# Altium PCB Inverter_2kW.PcbDoc (part 1 of 3) (continued)
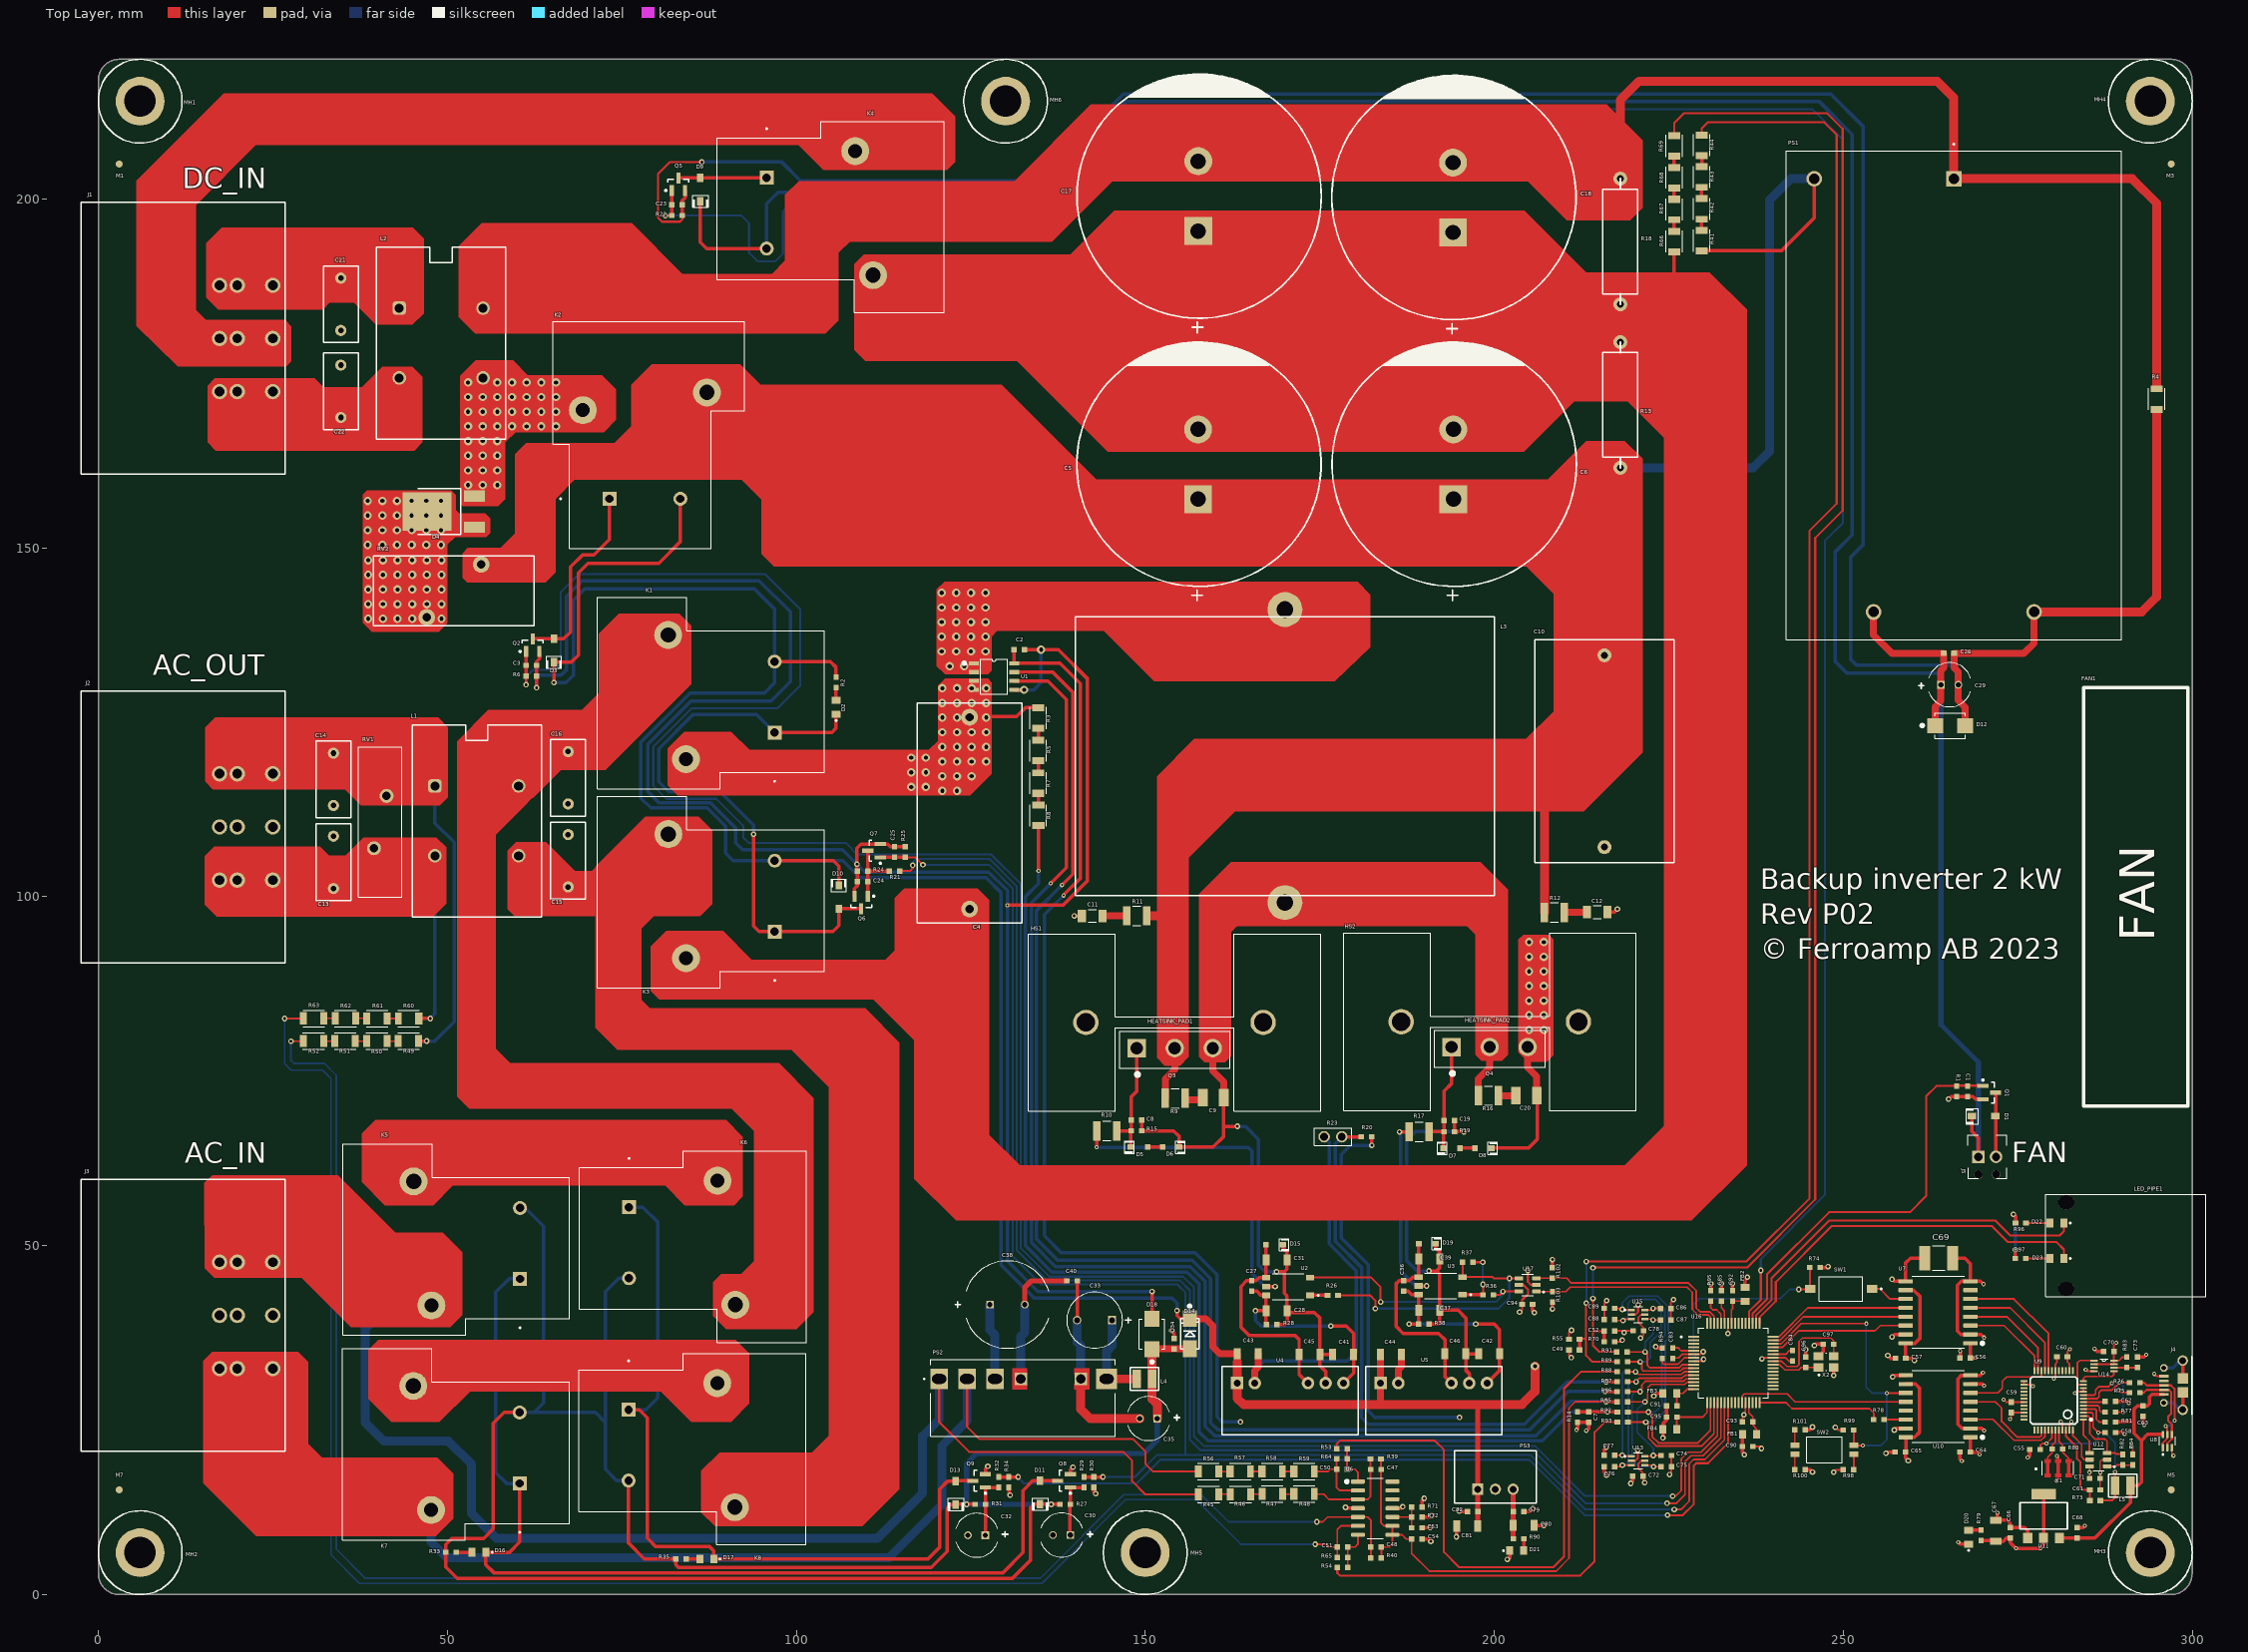
[diagram p0: Top Layer view]
## Components (designator, comment, footprint, x,y, rotation, side; value= is the part's Value field where it differs from the comment) (continued)
R49 "1.6M" R1206 44.45,79.3 r180 top
R50 "1.6M" R1206 39.92,79.3 r180 top
R51 "1.6M" R1206 35.375,79.3 r180 top
R52 "1.6M" R1206 30.85,79.3 r180 top
R53 "10k" R0603 178.175,20.9 r180 top
R54 "10k" R0603 178.275,3.875 r180 top
R55 "9.09k" R0603 211.475,36.6 r0 top
R56 "1.6M" R1206 159.05,17.62 r0 top
R57 "1.6M" R1206 163.6,17.62 r0 top
R58 "1.6M" R1206 168.175,17.645 r0 top
R59 "1.6M" R1206 172.75,17.645 r0 top
R60 "1.6M" R1206 44.475,82.55 r180 top
R61 "1.6M" R1206 39.945,82.55 r180 top
R62 "1.6M" R1206 35.425,82.575 r180 top
R63 "1.6M" R1206 30.875,82.575 r180 top
R64 "10k" R0603 178.175,19.475 r0 top
R65 "10k" R0603 178.275,5.3 r0 top
R66 "680k" R1206 225.8,193.905 r270 top
R67 "680k" R1206 225.8,198.5 r270 top
R68 "680k" R1206 225.8,203.05 r270 top
R69 "680k" R1206 225.775,207.6 r270 top
R70 "9.09k" R0603 216.525,36.225 r180 top
R71 "10k" R0603 188.925,12.525 r180 top
R72 "10k" R0603 188.925,11.1 r0 top
R73 "470R" R0603 286.1,13.475 r180 top
R74 "2.2k" R0603 245.975,46.875 r180 top
R75 "27R" R0603 291.775,28.925 r0 top
R76 "27R" R0603 291.775,30.35 r0 top
R77 "2.2k" R0603 288.3,26.15 r180 top
R78 "0R" R0603 255.125,25.075 r180 top
R79 "680R" R0603 269.75,8.475 r270 top
R80 "1M" R0603 280.7,20.85 r180 top
R81 "10k" R0603 288.3,24.725 r180 top
R82 "2.2k" R0603 290.075,19.325 r90 top
R83 "1k" R0603 290.643,33.273 r90 top
R84 "10k" R0603 291.5,19.325 r270 top
R85 "56R" R0603 218.375,27.625 r0 top
R86 "56R" R0603 218.375,29.075 r0 top
R87 "56R" R0603 218.375,30.5 r0 top
R88 "56R" R0603 218.35,31.925 r0 top
R89 "56R" R0603 218.35,33.35 r0 top
R90 "680R" R0603 203.475,7.975 r180 top
R91 "56R" R0603 218.325,34.775 r0 top
R92 "56R" R0603 218.4,26.15 r0 top
R93 "56R" R0603 218.4,24.7 r0 top
R94 "2.2k" R0603 224.075,34.575 r270 top
R95 "0R" R0603 231.025,42.8 r270 top
R96 "680R" R0603 275.45,53.25 r180 top
R97 "680R" R0603 275.425,48.15 r180 top
R98 "3.3k" R0603 250.775,17.875 r180 top
R99 "3.3k" R0603 250.775,23.575 r180 top
R100 "820R" R0603 243.825,17.875 r0 top
R101 "820R" R0603 243.825,23.625 r0 top
R102 "10k" R0603 208.325,46.075 r270 top
R103 "10k" R0603 208.35,42.675 r90 top
RV1 "B72210S2271K101" VAR_B72220S2321K101 40.4,110.7 r270 top
RV2 "MS22 12103" "MS22 12103" 50.95,143.825 r0 top
SW1 "DS04-254-2-01BK-SMT" SW_DS04-254-2-01BK-SMT 249.7,43.8 r180 top
SW2 "218-2LPST" 218-2LPST 247.3,20.75 r90 top
U1 "TMCS1100A1QDRQ1" SOIC-8 128.325,131.55 r0 top
U2 "TLP152(TPL,E" OPTO_TLP2366(V4-TPL,E 170.475,44.15 r180 top
U3 "TLP152(TPL,E" OPTO_TLP2366(V4-TPL,E 192.325,44.225 r180 top
U4 "MGJ2D121505SC" MGJ2D121505SC 170.78,27.76 r0 top
U5 "MGJ2D121505SC" MGJ2D121505SC 191.345,27.76 r0 top
U6 "TLV9004QDRQ1" SOIC127P600X175-14N 182.95,12.375 r0 top
U7 "ISO7240MDWR" SOIC127P1030X265-16N 263.6,40.45 r180 top
U8 "BAW567DW-7-F" SOT65P210X110-6N 296.45,21.995 r90 top
U9 "FT2232D-REEL" LQFP48 280.175,27.825 r180 top
U10 "ISO7242MDWR" SOIC127P1030X265-16N 263.61,26.985 r180 top
U11 "NCP1117LPST33T3G" SOT223R 276.439,8.101 r0 top
U12 "93LC46BT-I/OT" SOT95P280X145-6N 286.575,19.325 r180 top
U13 "NUP4202W1T2G" SOT65P210X110-6N 220.625,19.175 r0 top
U14 "SN74LVC2G74MDCUTEP" SOP50P310X90-8N 287.368,32.773 r0 top
U15 "NUP4202W1T2G" SOT65P210X110-6N 220.625,40.125 r0 top
U16 "TMS320F28035PAGQ" QFP50P1200X1200X120-64N 234.25,33.175 r0 top
U17 "SN74LVC2G07DBVR" SOT95P280X145-6N 204.8,44.375 r180 top
X1 "6MHz" OSC_CSTCR6M00G53-R0 280.8,18.1 r0 top
X2 "20MHz" XTAL_AMB8 247.55,33.35 r90 top

## Footprints (in the part's own frame and the unit in brackets; to place one, negate y for a bottom-side part, rotate by r counter-clockwise, add the part's x,y. Pads: shape width x height; smd on the part's side, far side on the other; paste and mask are expansions set on the pad)
218-2LPST [mm]
  rect 0.76x1.27 smd: 1(-0.635,-4.22) 2(-0.635,4.22) 4(0.635,4.22)
  rect 0.76x1.274 smd: 3(0.635,-4.22)
  silkscreen extent -1.86,-2.54 1.86,2.54, body extent -1.86,-4.22 1.85,4.22, height 2.65
530002B02500G [mil]
  round 143 hole 103: 1(-500,0) 2(500,0)
  silkscreen extent -825,-500 825,500, body extent -825,-500 825,500, height 2500
1720806 [mm] "Pluggable Terminal Blocks 3 Pos 7.62mm pitch Through Hole Header"
  round 2.2 hole 1.4: 1(-7.62,0) 1(-7.62,-7.62) 1(-7.62,-5.08) 2(0,0) 2(0,-5.08) 2(0,-7.62) 3(7.62,0) 3(7.62,-7.62) 3(7.62,-5.08)
  silkscreen extent -19.5,-27.43 19.46,1.76, body extent -19.48,-27.47 19.48,1.78, height 15.12
1725656 [mm]
  round 1.2 hole 1.2: 0(0,-2.54) 0(2.54,-2.54)
  rect 1.8x1.8 hole 1.2: 1(0,0)
  round 1.8 hole 1.2: 2(2.54,0)
  silkscreen extent -1.5,-3.1 4.05,3.1, body extent -1.5,-3.1 4.04,3.1, height 8.5
10118194-0001LF [mm] "CONN USB MICRO B RECPT SMT R/A"
  rect 0.4x1.35 smd: 1(1.325,-1.35) 2(0.675,-1.35) 3(0.025,-1.35) 4(-0.625,-1.35) 5(-1.275,-1.35)
  round 1.5 hole 1: 6(-3.525,1.35) 6(3.525,1.35)
  round 1.1 hole 0.7: 6(-2.475,-1.35) 6(2.525,-1.35)
  rect 1.5x1.5 smd: 6(-0.975,1.35) 6(1.025,1.35)
  silkscreen extent -4.1,2.67 4.13,2.67, body extent -4,-1.55 4.05,4.03, height 2.73
B32674 [mm]
  round 2.4 hole 1.2: 1(-13.75,0) 2(13.75,0)
  silkscreen extent -15.75,-7.5 15.75,7.5, body extent -15.75,-7.5 15.75,7.5, height 24.5
C0603 [mm] "CAPACITOR SMD 0603"
  rect 0.8x0.75 smd: 1(-0.75,0) 2(0.75,0)
  body extent -1,-0.39 1,0.39, height 0.79
C1206#1 [mm]
  rect 1.16x1.82 smd: 1(-1.475,0) 2(1.475,0)
  silkscreen extent -0.57,-0.9 0.57,0.9, body extent -1.6,-0.8 1.6,0.8, height 1.78
C1206#2 [mm] "CAPACITOR SMD 1206"
  rect 1x1.6 smd: 1(-1.5,0) 2(1.5,0)
  body extent -2,-0.8 2,0.8, height 1.53
C1210 [mm] "CAPACITOR SMD 1210"
  rect 1.4x2.5 smd: 1(-1.5,0) 2(1.5,0)
  body extent -2,-1.24 2,1.24, height 1.7
C1812 [mm]
  rect 1.57x3.51 smd: 1(-2.017,0) 2(2.017,0)
  silkscreen extent -0.91,-1.75 0.91,1.75, body extent -2.25,-1.6 2.25,1.6, height 1.1
CAP_450BXW22MEFR12.5X20 [mm]
  rect 1.1x1.1 hole 0.75: 1(-2.5,0)
  round 1.1 hole 0.75: 2(2.5,0)
  silkscreen extent -7.49,-6.25 5.94,6.25, body extent -6.25,-6.25 6.25,6.25, height 20
CAP_B43640B5477M000 [mm]
  rect 4x4 hole 2.2: 1(-5,0)
  round 4 hole 2.2: 2(5,0)
  silkscreen extent -19.56,-17.63 17.5,17.37, body extent -17.5,-17.62 17.5,17.37, height 40
CAP_C947U472MZVDBA7317 [mm]
  round 1.6 hole 0.8: 1(-3.75,0) 2(3.75,0)
  silkscreen extent -5.5,-2.5 5.5,2.5, body extent -5.5,-2.5 5.5,2.5, height 15.5
CAP_EEU-FK1E271B [mm]
  rect 1.2x1.2 hole 0.85: 1(-2.5,0)
  round 1.2 hole 0.85: 2(2.5,0)
  silkscreen extent -5.21,-4 4,4, body extent -4,-4 4,4, height 11.5
CAP_EEUFC1E101S [mm]
  rect 1.1x1.1 hole 0.75: 1(-1.25,0)
  round 1.1 hole 0.75: 2(1.25,0)
  silkscreen extent -4.44,-3.15 3,3.15, body extent -3.15,-3.15 3.15,3.15, height 11.2
CONV_LS05-13B12R3 [mm]
  rect 2.5x3 hole 1.4 slot 2 at 0 deg: 1(-12,0) 2(-8,0) 3(-4,0)
  rect 1.78x1.78 hole 1.4 mask+0: 4(-0.29,0) 5(8.29,0)
  rect 3x3 hole 1.4 slot 2 at 0 deg: 6(12,0)
  Top Layer region: 0.6,0.7 -0.3,0.7 -0.337,0.699 -0.373,0.696 -0.41,0.691 -0.446,0.685 -0.481,0.676 -0.516,0.666 -0.551,0.654 -0.585,0.639 -0.618,0.624 -0.65,0.606 -0.681,0.587 -0.711,0.566 -0.741,0.544 -0.768,0.52 -0.795,0.495 -0.82,0.468 -0.844,0.441 -0.866,0.411 -0.887,0.381 -0.906,0.35 -0.924,0.318 -0.939,0.285 -0.954,0.251 -0.966,0.216 -0.976,0.181 -0.985,0.146 -0.991,0.11 -0.996,0.073 -0.999,0.037 -1,0 -0.999,-0.037 -0.996,-0.073 -0.991,-0.11 -0.985,-0.146 -0.976,-0.181 -0.966,-0.216 -0.954,-0.251 -0.939,-0.285 -0.924,-0.318 -0.906,-0.35 -0.887,-0.381 -0.866,-0.411 -0.844,-0.441 -0.82,-0.468 -0.795,-0.495 -0.768,-0.52 -0.741,-0.544 -0.711,-0.566 -0.681,-0.587 -0.65,-0.606 -0.618,-0.624 -0.585,-0.639 -0.551,-0.654 -0.516,-0.666 -0.481,-0.676 -0.446,-0.685 -0.41,-0.691 -0.373,-0.696 -0.337,-0.699 -0.3,-0.7 0.6,-0.7 0.6,-1.5 -1.5,-1.5 -1.5,1.5 0.6,1.5
  Top Layer region: 9.5,-1.5 7.4,-1.5 7.4,-0.7 8.3,-0.7 8.337,-0.699 8.373,-0.696 8.41,-0.691 8.446,-0.685 8.481,-0.676 8.516,-0.666 8.551,-0.654 8.585,-0.639 8.618,-0.624 8.65,-0.606 8.681,-0.587 8.711,-0.566 8.741,-0.544 8.768,-0.52 8.795,-0.495 8.82,-0.468 8.844,-0.441 8.866,-0.411 8.887,-0.381 8.906,-0.35 8.924,-0.318 8.939,-0.285 8.954,-0.251 8.966,-0.216 8.976,-0.181 8.985,-0.146 8.991,-0.11 8.996,-0.073 8.999,-0.037 9,0 8.999,0.037 8.996,0.073 8.991,0.11 8.985,0.146 8.976,0.181 8.966,0.216 8.954,0.251 8.939,0.285 8.924,0.318 8.906,0.35 8.887,0.381 8.866,0.411 8.844,0.441 8.82,0.468 8.795,0.495 8.768,0.52 8.741,0.544 8.711,0.566 8.681,0.587 8.65,0.606 8.618,0.624 8.585,0.639 8.551,0.654 8.516,0.666 8.481,0.676 8.446,0.685 8.41,0.691 8.373,0.696 8.337,0.699 8.3,0.7 7.4,0.7 7.4,1.5 9.5,1.5
  Bottom Layer region: 0.6,0.7 -0.3,0.7 -0.337,0.699 -0.373,0.696 -0.41,0.691 -0.446,0.685 -0.481,0.676 -0.516,0.666 -0.551,0.654 -0.585,0.639 -0.618,0.624 -0.65,0.606 -0.681,0.587 -0.711,0.566 -0.741,0.544 -0.768,0.52 -0.795,0.495 -0.82,0.468 -0.844,0.441 -0.866,0.411 -0.887,0.381 -0.906,0.35 -0.924,0.318 -0.939,0.285 -0.954,0.251 -0.966,0.216 -0.976,0.181 -0.985,0.146 -0.991,0.11 -0.996,0.073 -0.999,0.037 -1,0 -0.999,-0.037 -0.996,-0.073 -0.991,-0.11 -0.985,-0.146 -0.976,-0.181 -0.966,-0.216 -0.954,-0.251 -0.939,-0.285 -0.924,-0.318 -0.906,-0.35 -0.887,-0.381 -0.866,-0.411 -0.844,-0.441 -0.82,-0.468 -0.795,-0.495 -0.768,-0.52 -0.741,-0.544 -0.711,-0.566 -0.681,-0.587 -0.65,-0.606 -0.618,-0.624 -0.585,-0.639 -0.551,-0.654 -0.516,-0.666 -0.481,-0.676 -0.446,-0.685 -0.41,-0.691 -0.373,-0.696 -0.337,-0.699 -0.3,-0.7 0.6,-0.7 0.6,-1.5 -1.5,-1.5 -1.5,1.5 0.6,1.5
  Bottom Layer region: 9.5,-1.5 7.4,-1.5 7.4,-0.7 8.3,-0.7 8.337,-0.699 8.373,-0.696 8.41,-0.691 8.446,-0.685 8.481,-0.676 8.516,-0.666 8.551,-0.654 8.585,-0.639 8.618,-0.624 8.65,-0.606 8.681,-0.587 8.711,-0.566 8.741,-0.544 8.768,-0.52 8.795,-0.495 8.82,-0.468 8.844,-0.441 8.866,-0.411 8.887,-0.381 8.906,-0.35 8.924,-0.318 8.939,-0.285 8.954,-0.251 8.966,-0.216 8.976,-0.181 8.985,-0.146 8.991,-0.11 8.996,-0.073 8.999,-0.037 9,0 8.999,0.037 8.996,0.073 8.991,0.11 8.985,0.146 8.976,0.181 8.966,0.216 8.954,0.251 8.939,0.285 8.924,0.318 8.906,0.35 8.887,0.381 8.866,0.411 8.844,0.441 8.82,0.468 8.795,0.495 8.768,0.52 8.741,0.544 8.711,0.566 8.681,0.587 8.65,0.606 8.618,0.624 8.585,0.639 8.551,0.654 8.516,0.666 8.481,0.676 8.446,0.685 8.41,0.691 8.373,0.696 8.337,0.699 8.3,0.7 7.4,0.7 7.4,1.5 9.5,1.5
  silkscreen extent -14.25,-8.2 13.2,2.8, body extent -13.2,-8.2 13.2,2.8, height 14.73
CONV_PV15-27B12R3 [mm]
  rect 2.25x2.25 hole 1.5: 1(-31.045,0)
  round 2.25 hole 1.5: 2(-31.045,-20) 3(31.045,-11.5) 4(31.045,11.5)
  silkscreen extent -36.1,-24 35,24, body extent -35,-24 35,24, height 23.5
DO-214AA2 [mm]
  rect 2.28x2.12 smd: A(2.165,0) C(-2.165,0)
  silkscreen extent -4.2,-1.81 2.16,1.81, body extent -2.72,-1.78 2.72,1.78, height 2.46
DO-214AC [mm]
  rect 2.4x2 smd: A(2.165,0) C(-2.165,0)
  silkscreen extent -4.14,-1.33 2.16,1.31, body extent -2.55,-1.33 2.55,1.33, height 2.29
DPAK-3 [mil]
  rect 63x118 smd: 1(-89,-194) 3(87,-194)
  rect 214.63x275.59 smd: 4(0,72.94)
  silkscreen extent -130,-118 130,126, body extent -128,-210 128,180, height 94
FAN_60*60MM [mm] "CAPACITOR SMD 0805"
  silkscreen extent -7.5,-30 7.5,30, body extent -7.5,-29.97 7.5,29.97, height 61
IND_FS-226060-2H305 [mm]
  round 5 hole 2.4: 1(-21,0) 2(21,0)
  silkscreen extent -20,-30 20,30, body extent -20,-30 20,30, height 60.99
IND_NRH3012T [mm] "CAPACITOR SMD 1210"
  rect 1.2x2.7 smd: 1(-1.1,0) 2(1.1,0)
  silkscreen extent -2.03,-1.65 2.03,1.65, body extent -1.5,-1.5 1.5,1.5, height 1.9
IND_SRN3015C [mm] "CAPACITOR SMD 1210"
  rect 1.2x2.7 smd: 1(-1.1,0) 2(1.1,0)
  silkscreen extent -2.03,-1.65 2.03,1.65, body extent -1.5,-1.5 1.5,1.5, height 1.9
LED0805 [mm]
  rect 1x1.25 smd: A(1,0) C(-1,0)
  silkscreen extent -2,-0.1 -1.81,0.1, body extent -1,-0.62 1,0.62, height 0.73
LQFP48 [mm]
  rect 1x0.3 smd: 1(-4.25,2.75) 2(-4.25,2.25) 3(-4.25,1.75) 4(-4.25,1.25) 5(-4.25,0.75) 6(-4.25,0.25) 7(-4.25,-0.25) 8(-4.25,-0.75) 9(-4.25,-1.25) 10(-4.25,-1.75) 11(-4.25,-2.25) 12(-4.25,-2.75) 25(4.25,-2.75) 26(4.25,-2.25) 27(4.25,-1.75) 28(4.25,-1.25) 29(4.25,-0.75) 30(4.25,-0.25) 31(4.25,0.25) 32(4.25,0.75) 33(4.25,1.25) 34(4.25,1.75) 35(4.25,2.25) 36(4.25,2.75)
  rect 0.3x1 smd: 13(-2.75,-4.25) 14(-2.25,-4.25) 15(-1.75,-4.25) 16(-1.25,-4.25) 17(-0.75,-4.25) 18(-0.25,-4.25) 19(0.25,-4.25) 20(0.75,-4.25) 21(1.25,-4.25) 22(1.75,-4.25) 23(2.25,-4.25) 24(2.75,-4.25) 37(2.75,4.25) 38(2.25,4.25) 39(1.75,4.25) 40(1.25,4.25) 41(0.75,4.25) 42(0.25,4.25) 43(-0.25,4.25) 44(-0.75,4.25) 45(-1.25,4.25) 46(-1.75,4.25) 47(-2.25,4.25) 48(-2.75,4.25)
  silkscreen extent -5.48,-3.37 3.37,3.37, body extent -4.5,-4.5 4.5,4.5, height 1.57
MGJ2D121505SC [mm]
  rect 1.8x1.8 hole 1: 1(-7.62,2.54)
  round 1.8 hole 1: 2(-5.08,2.54) 5(2.54,2.54) 6(5.08,2.54) 7(7.62,2.54)
  silkscreen extent -9.75,-4.9 9.75,4.9, body extent -9.75,-4.9 9.75,4.9, height 12.5
MKP1848C61090KK2 [mm]
  round 2 hole 1: 1(-13.75,0) 2(13.75,0)
  silkscreen extent -16,-10 16,10, body extent -16,-10 16,10, height 35.1
MOUNTINGHOLE [mm]
  round 7 hole 4.5: 0(0,0)
  silkscreen extent -6,-6 6,6
MountingHole [mm]
  round 7 hole 4.5: 0(0,0)
  silkscreen extent -6,-6 6,6
MOUNTINGHOLE_CUTOUT [mm]
  round 7 hole 4.5: 0(0,0)
  Top Layer pour cut-out: -6,6 6,6 6,-6 -6,-6
  Bottom Layer pour cut-out: -6,6 6,6 6,-6 -6,-6
  silkscreen extent -6,-6 6,6
"MS22 12103" [mm]
  round 2.4 hole 1.2: 1(-3.9,-3.8) 2(3.9,3.8)
  silkscreen extent -11.5,-5 11.5,5, body extent -11.5,-5 11.5,5, height 23.5
NTC_Sensor [mm]
  round 1.65 hole 1.1: 1(-1.27,0) 2(1.27,0)
  silkscreen extent -2.67,-1.27 2.67,1.27
OPTO_TLP2366(V4-TPL,E [mm]
  rect 1.2x0.8 smd: 1(-3.15,1.27) 3(-3.15,-1.27) 4(3.15,-1.27) 5(3.15,0) 6(3.15,1.27)
  silkscreen extent -4.42,-1.85 2.27,1.85, body extent -2.27,-1.85 2.27,1.85, height 3
OSC_CSTCR6M00G53-R0 [mm]
  rect 0.1x0.1 smd paste+0.35 mask+0.45: 1(-1.5,0) 2(0,0) 3(1.5,0)
  Top Layer region: 0.4,0.8 0.2,0.8 0.2,-0.8 0.4,-0.8 0.4,-1.3 -0.4,-1.3 -0.4,-0.8 -0.2,-0.8 -0.2,0.8 -0.4,0.8 -0.4,1.3 0.4,1.3
  Top Layer region: -1.1,0.8 -1.3,0.8 -1.3,-0.8 -1.1,-0.8 -1.1,-1.3 -1.9,-1.3 -1.9,-0.8 -1.7,-0.8 -1.7,0.8 -1.9,0.8 -1.9,1.3 -1.1,1.3
  Top Layer region: 1.9,0.8 1.7,0.8 1.7,-0.8 1.9,-0.8 1.9,-1.3 1.1,-1.3 1.1,-0.8 1.3,-0.8 1.3,0.8 1.1,0.8 1.1,1.3 1.9,1.3
  silkscreen extent -3.28,-1 2.25,1, body extent -2.25,-1 2.25,1, height 1.2
PASSER-KREIS [mm]
  round 1 smd paste-0.5 mask+0.05: 1(0,0)
  Top Layer pour cut-out: -1.5,1.5 1.5,1.5 1.5,-1.5 -1.5,-1.5
QFP50P1200X1200X120-64N [mm]
  rrect25% 1.56x0.28 smd: 1(-5.68,3.75) 2(-5.68,3.25) 3(-5.68,2.75) 4(-5.68,2.25) 5(-5.68,1.75) 6(-5.68,1.25) 7(-5.68,0.75) 8(-5.68,0.25) 9(-5.68,-0.25) 10(-5.68,-0.75) 11(-5.68,-1.25) 12(-5.68,-1.75) 13(-5.68,-2.25) 14(-5.68,-2.75) 15(-5.68,-3.25) 16(-5.68,-3.75) 33(5.68,-3.75) 34(5.68,-3.25) 35(5.68,-2.75) 36(5.68,-2.25) 37(5.68,-1.75) 38(5.68,-1.25) 39(5.68,-0.75) 40(5.68,-0.25) 41(5.68,0.25) 42(5.68,0.75) 43(5.68,1.25) 44(5.68,1.75) 45(5.68,2.25) 46(5.68,2.75) 47(5.68,3.25) 48(5.68,3.75)
  rrect25% 0.28x1.56 smd: 17(-3.75,-5.68) 18(-3.25,-5.68) 19(-2.75,-5.68) 20(-2.25,-5.68) 21(-1.75,-5.68) 22(-1.25,-5.68) 23(-0.75,-5.68) 24(-0.25,-5.68) 25(0.25,-5.68) 26(0.75,-5.68) 27(1.25,-5.68) 28(1.75,-5.68) 29(2.25,-5.68) 30(2.75,-5.68) 31(3.25,-5.68) 32(3.75,-5.68) 49(3.75,5.68) 50(3.25,5.68) 51(2.75,5.68) 52(2.25,5.68) 53(1.75,5.68) 54(1.25,5.68) 55(0.75,5.68) 56(0.25,5.68) 57(-0.25,5.68) 58(-0.75,5.68) 59(-1.25,5.68) 60(-1.75,5.68) 61(-2.25,5.68) 62(-2.75,5.68) 63(-3.25,5.68) 64(-3.75,5.68)
  silkscreen extent -7.54,-5 5,5, body extent -6,-6 6,6, height 1.2
R0603 [mm] "RESISTOR SMD 0603"
  rect 0.8x0.75 smd: 1(-0.75,0) 2(0.75,0)
  body extent -1,-0.39 1,0.39, height 0.79
R0805 [mm] "RESISTOR SMD 0805"
  rect 1x1.25 smd: 1(-1,0) 2(1,0)
  body extent -1.25,-0.62 1.25,0.62, height 0.79
R1206 [mm]
  rect 1.02x1.73 smd: 1(-1.455,0)
  rect 0.97x1.73 smd: 2(1.48,0)
  silkscreen extent -1.55,-1.18 1.55,1.18, body extent -1.6,-0.8 1.6,0.8, height 0.7
R1210 [mm]
  rect 1.07x2.77 smd: 1(-1.43,0) 2(1.43,0)
  silkscreen extent -0.57,-1.38 0.57,1.38, body extent -1.55,-1.3 1.55,1.3, height 0.65
RELAY_T9AS1D12-12 [mm]
  rect 2x2 hole 1.2: 1(0,0)
  round 2 hole 1.2: 2(10.16,0)
  round 4 hole 2: 3(-3.81,12.7)
  round 4 hole 2.2: 4(13.97,15.24)
  silkscreen extent -8.08,-7.11 19.35,25.4, body extent -8.08,-7.12 19.35,25.4, height 20
RLP2-400-800 [mm]
  oval 2x2.3 hole 2 slot 2.3 at 90 deg: 0(-6.2,0) 0(6.2,0)
  silkscreen extent -7.33,-19.98 7.33,2.92, body extent -7.33,-19.98 7.33,2.92, height 12.71
SOD123 [mm]
  rect 1.21x0.93 smd: A(1.68,0) C(-1.68,0)
  silkscreen extent -2.54,-1.1 -0.8,1.1, body extent -1.85,-0.8 1.85,0.8, height 1.27
SOD323 [mm]
  rect 0.8x0.8 smd: A(1.2,0)
  rect 0.9x0.8 smd: C(-1.2,0)
  silkscreen extent -2.03,-0.89 -0.67,0.95, body extent -1.34,-0.65 1.34,0.65, height 1.15
SOIC127P600X175-14N [mm]
  rrect50% 1.97x0.6 smd: 1(-2.475,3.81) 2(-2.475,2.54) 3(-2.475,1.27) 4(-2.475,0) 5(-2.475,-1.27) 6(-2.475,-2.54) 7(-2.475,-3.81) 8(2.475,-3.81) 9(2.475,-2.54) 10(2.475,-1.27) 11(2.475,0) 12(2.475,1.27) 13(2.475,2.54) 14(2.475,3.81)
  silkscreen extent -4.26,-4.33 1.17,4.33, body extent -3,-4.33 3,4.32, height 1.75
SOIC127P1030X265-16N [mm]
  rrect25% 2.06x0.6 smd: 1(-4.64,4.445) 2(-4.64,3.175) 3(-4.64,1.905) 4(-4.64,0.635) 5(-4.64,-0.635) 6(-4.64,-1.905) 7(-4.64,-3.175) 8(-4.64,-4.445) 9(4.64,-4.445) 10(4.64,-3.175) 11(4.64,-1.905) 12(4.64,-0.635) 13(4.64,0.635) 14(4.64,1.905) 15(4.64,3.175) 16(4.64,4.445)
  silkscreen extent -6.55,-5.15 3.75,5.15, body extent -5.15,-5.15 5.15,5.15, height 2.65
SOIC-8 [mm]
  rect 1.4x0.6 smd: 1(-2.9,1.905) 2(-2.9,0.635) 3(-2.9,-0.635) 4(-2.9,-1.905) 5(2.9,-1.905) 6(2.9,-0.635) 7(2.9,0.635) 8(2.9,1.905)
  silkscreen extent -4.47,-2.49 1.95,2.49, body extent -3.02,-2.45 2.98,2.45, height 1.75
SOP50P310X90-8N [mil]
  rect 42x11 smd: 1(-56,30) 2(-56,10) 3(-56,-10) 4(-56,-30) 5(56,-30) 6(56,-10) 7(56,10) 8(56,30)
  silkscreen extent -23,27 23,39
SOT23-3N [mm] "SOT23, 3-Leads, Body 3.0x2.6mm (max), Pitch 0.95mm, IPC Medium Density"
  rect 1.6x0.6 smd: 1(-0.9,0.95) 2(-0.9,-0.95) 3(0.9,0)
  silkscreen extent -1.02,-1.5 0.7,1.92, body extent -1.47,-1.5 1.47,1.5, height 1.1
SOT65P210X110-6N [mm]
  rrect40% 1.02x0.36 smd: 1(-0.955,0.65) 2(-0.955,0) 3(-0.955,-0.65) 4(0.955,-0.65) 5(0.955,0) 6(0.955,0.65)
  silkscreen extent -2,-1.15 0.63,1.15, body extent -1.05,-1 1.05,1, height 1.1
SOT95P280X145-6N [mm]
  rrect25% 1.21x0.58 smd: 1(-1.255,0.95) 2(-1.255,0) 3(-1.255,-0.95) 4(1.255,-0.95) 5(1.255,0) 6(1.255,0.95)
  silkscreen extent -2.39,-1.56 0.8,1.56, body extent -1.4,-1.45 1.4,1.45, height 1.45
SOT223R [mm]
  rect 1.3x1.5 smd: 1(0,0) 2(2.286,0) 3(4.572,0)
  rect 3.5x1.5 smd: 4(2.286,6.299)
  silkscreen extent -1.12,1.27 5.69,5.08, body extent -1,-0.3 5.5,6.63, height 1.64
SP900S-0.009-00-90 [mm]
SW_DS04-254-2-01BK-SMT [mm]
  rect 1.5x1.1 smd: 1(-4.45,0) 2(4.45,0)
  silkscreen extent -5.85,-1.77 3.1,1.77, body extent -4.95,-1.78 4.95,1.76, height 3.99
THT_R(3W) [mm]
  round 2 hole 1: 1(-9,0) 2(9,0)
  silkscreen extent -9,-2.5 9,2.5, body extent -7.5,-2.49 7.5,2.5, height 5.5
TO247-3 [mm]
  rect 2.64x2.64 hole 1.76: 1(-5.45,0)
  round 2.64 hole 1.76: 2(0,0) 3(5.45,0)
  silkscreen extent -7.95,-4.03 7.95,2.4, body extent -7.8,-2.33 7.8,2.67, height 24.6
TR05S3V3 [mm]
  rect 1.6x1.6 hole 1: 1(-2.54,-1.75)
  round 1.6 hole 1: 2(0,-1.75) 3(2.54,-1.75)
  silkscreen extent -5.84,-3.75 5.84,3.75, body extent -5.84,-3.81 5.84,3.75, height 10
VAR_B72220S2321K101 [mm]
  round 2 hole 1.2: 1(-3.75,0.9) 2(3.75,-0.9)
  silkscreen extent -10.75,-3.1 10.75,3.1
"WE-CMB_Type L_L27.5W18.5H33" [mm] "Common Mode Power Line Choke, 4-Leads, body 27.5x18.5mm"
  rrect50% 1.95x1.95 hole 1.3: 1(-5,-6)
  round 1.95 hole 1.3: 2(5,-6) 3(5,6) 4(-5,6)
  silkscreen extent -13.75,-9.25 13.75,9.25, body extent -12.4,-8.5 12.4,8.53, height 28.88
XTAL_AMB8 [mm]
  rect 1.2x1.4 smd: 1(-0.8,1.1) 2(-0.8,-1.1) 3(0.8,-1.1) 4(0.8,1.1)
  silkscreen extent -2,-0.08 1.25,1.12, body extent -1.25,-1.6 1.25,1.6, height 0.8